# Allegro board S071AA-0413-20260427.brd (continued)
## Routing (per net, layer and track width the routed paths; a pad name or vN(x,y) marks a point on that pad's centre or on a via; arc(x,y) is an arc through that point) (continued)
; D103.B2 165.37,61.77 ; D117.B15 51.07,99.87 ; D117.B15 51.07,98.25 ; D117.B15 50.26,99.06 ; 47.72,60.96 D119.B14 ; D119.B14 48.53,61.77 ; D119.B14 49.34,60.96 ; D119.B14 48.53,60.15 ; D227.A14 96.79,374.19 ; D227.A14 96.79,372.57 ; D227.A14 95.98,373.38 ; D227.A14 97.6,373.38 ; D101.B8 181.42,101.6 ; D101.B8 180.61,100.79 ; D101.B8 179.8,101.6 ; D101.B8 180.61,102.41 ; 195.04,353.06 D114.A4 ; D114.A4 196.66,353.06 ; D114.A4 195.85,352.25 ; D114.A4 195.85,353.87 ; 51.07,72.85 D118.A15 ; D118.A15 51.88,73.66 ; D118.A15 50.26,73.66 ; D118.A15 51.07,74.47 ; 259.35,55.07 D107.A10 ; D107.A10 258.54,55.88 ; D107.A10 260.16,55.88 ; D107.A10 259.35,56.69 ; D114.B2 200.93,348.79 ; D114.B2 200.93,347.17 ; D114.B2 200.12,347.98 ; D114.B2 201.74,347.98 ; 197.58,355.6 D114.A3 ; D114.A3 199.2,355.6 ; D114.A3 198.39,356.41 ; D114.A3 198.39,354.79 ; UHC230.G4_10 16.54,350.04 ; UHC230.G4_10 14.92,350.04 ; UHC230.G4_10 15.73,349.23 ; UHC230.G4_10 15.73,350.85 ; D123.A3 95.06,53.34 ; D123.A3 93.44,53.34 ; D123.A3 94.25,54.15 ; D123.A3 94.25,52.53 ; D116.A13 173.8,396.24 ; D116.A13 172.18,396.24 ; D116.A13 172.99,395.43 ; D116.A13 172.99,397.05 ; 17.22,353.54 UHC230.G4_4 ; UHC230.G4_4 18.84,353.54 ; UHC230.G4_4 18.03,354.35 ; UHC230.G4_4 18.03,352.73 ; 121.38,40.64 D124.B14 ; D124.B14 123,40.64 ; D124.B14 122.19,41.45 ; D124.B14 122.19,39.83 ; D104.A11 188.23,33.83 ; D104.A11 189.04,33.02 ; D104.A11 188.23,32.21 ; D104.A11 187.42,33.02 ; 53.61,39.83 D120.B16 ; D120.B16 53.61,41.45 ; D120.B16 54.42,40.64 ; D120.B16 52.8,40.64 ; D111.A10 254.27,374.19 ; D111.A10 253.46,373.38 ; D111.A10 254.27,372.57 ; D111.A10 255.08,373.38 ; D121.A5 99.33,94.79 ; D121.A5 98.52,93.98 ; D121.A5 100.14,93.98 ; D121.A5 99.33,93.17 ; DPS1.B15 272.86,16.51 ; DPS1.B15 271.24,16.51 ; DPS1.B15 272.05,15.7 ; DPS1.B15 272.05,17.32 ; D106.B10 260.16,81.28 ; D106.B10 259.35,82.09 ; D106.B10 259.35,80.47 ; D106.B10 258.54,81.28 ; D427.A2 128.08,383.54 ; D427.A2 127.27,384.35 ; D427.A2 127.27,382.73 ; D427.A2 126.46,383.54 ; D117.A9 35.83,94.79 ; D117.A9 36.64,93.98 ; D117.A9 35.83,93.17 ; D117.A9 35.02,93.98 ; 172.99,390.35 D116.B13 ; D116.B13 172.99,391.97 ; D116.B13 173.8,391.16 ; D116.B13 172.18,391.16 ; 236.49,15.7 DPS1.B01 ; DPS1.B01 237.3,16.51 ; DPS1.B01 236.49,17.32 ; DPS1.B01 235.68,16.51 ; 113.76,19.05 DPS3.C11 ; DPS3.C11 114.57,19.86 ; DPS3.C11 115.38,19.05 ; DPS3.C11 114.57,18.24 ; 246.65,32.21 D108.A5 ; D108.A5 245.84,33.02 ; D108.A5 247.46,33.02 ; D108.A5 246.65,33.83 ; 189.96,35.56 D104.A12 ; D104.A12 190.77,36.37 ; D104.A12 191.58,35.56 ; D104.A12 190.77,34.75 ; 272.05,329.39 D109.B3 ; D109.B3 271.24,330.2 ; D109.B3 272.05,331.01 ; D109.B3 272.86,330.2 ; UHC230.G3_1 48.98,356.1 ; UHC230.G3_1 48.17,355.29 ; UHC230.G3_1 49.79,355.29 ; UHC230.G3_1 48.98,354.48 ; CSDPS426.C3 124.73,361.49 ; CSDPS426.C3 123.92,360.68 ; CSDPS426.C3 124.73,359.87 ; CSDPS426.C3 125.54,360.68 ; D107.B11 262.7,58.42 ; D107.B11 261.08,58.42 ; D107.B11 261.89,59.23 ; D107.B11 261.89,57.61 ; D102.A2 165.37,77.01 ; D102.A2 165.37,75.39 ; D102.A2 166.18,76.2 ; D102.A2 164.56,76.2 ; 27.4,101.6 D117.B6 ; D117.B6 28.21,100.79 ; D117.B6 28.21,102.41 ; D117.B6 29.02,101.6 ; 114.57,339.55 CSDPS425.C7 ; CSDPS425.C7 113.76,340.36 ; CSDPS425.C7 114.57,341.17 ; CSDPS425.C7 115.38,340.36 ; D431.A17 15.51,386.89 ; D431.A17 15.51,385.27 ; D431.A17 16.32,386.08 ; D431.A17 14.7,386.08 ; 51.07,37.29 D120.B15 ; D120.B15 51.88,38.1 ; D120.B15 51.07,38.91 ; D120.B15 50.26,38.1 ; D227.B13 100.14,370.84 ; D227.B13 99.33,370.03 ; D227.B13 99.33,371.65 ; D227.B13 98.52,370.84 ; D432.A12 29.02,403.86 ; D432.A12 28.21,403.05 ; D432.A12 28.21,404.67 ; D432.A12 27.4,403.86 ; D101.A6 175.53,97.33 ; D101.A6 175.53,95.71 ; D101.A6 176.34,96.52 ; D101.A6 174.72,96.52 ; D428.A2 127.27,404.67 ; D428.A2 128.08,403.86 ; D428.A2 126.46,403.86 ; D428.A2 127.27,403.05 ; 180.61,75.39 D102.A8 ; D102.A8 180.61,77.01 ; D102.A8 181.42,76.2 ; D102.A8 179.8,76.2 ; D110.A13 247.46,355.6 ; D110.A13 246.65,356.41 ; D110.A13 246.65,354.79 ; D110.A13 245.84,355.6 ; D231.A6 43.45,374.19 ; D231.A6 42.64,373.38 ; D231.A6 43.45,372.57 ; D231.A6 44.26,373.38 ; D116.A2 201.74,393.7 ; D116.A2 200.12,393.7 ; D116.A2 200.93,394.51 ; D116.A2 200.93,392.89 ; 182.34,355.6 D114.A9 ; D114.A9 183.96,355.6 ; D114.A9 183.15,356.41 ; D114.A9 183.15,354.79 ; 185.69,387.81 D116.B8 ; D116.B8 186.5,388.62 ; D116.B8 184.88,388.62 ; D116.B8 185.69,389.43 ; D121.A4 97.6,96.52 ; D121.A4 96.79,95.71 ; D121.A4 96.79,97.33 ; D121.A4 95.98,96.52 ; D120.B8 33.29,41.45 ; D120.B8 32.48,40.64 ; D120.B8 34.1,40.64 ; D120.B8 33.29,39.83 ; D114.A5 194.12,355.6 ; D114.A5 193.31,354.79 ; D114.A5 193.31,356.41 ; D114.A5 192.5,355.6 ; D115.B15 167.91,371.65 ; D115.B15 167.1,370.84 ; D115.B15 167.91,370.03 ; D115.B15 168.72,370.84 ; 48.53,397.97 D432.B4 ; D432.B4 49.34,398.78 ; D432.B4 48.53,399.59 ; D432.B4 47.72,398.78 ; 108.68,350.52 CSDPS226.C9 ; CSDPS226.C9 109.49,349.71 ; CSDPS226.C9 110.3,350.52 ; CSDPS226.C9 109.49,351.33 ; D118.B10 38.37,82.09 ; D118.B10 37.56,81.28 ; D118.B10 39.18,81.28 ; D118.B10 38.37,80.47 ; D227.B10 107.76,368.3 ; D227.B10 106.14,368.3 ; D227.B10 106.95,369.11 ; D227.B10 106.95,367.49 ; D111.A1 277.94,375.92 ; D111.A1 276.32,375.92 ; D111.A1 277.13,375.11 ; D111.A1 277.13,376.73 ; 42.64,101.6 D117.B12 ; D117.B12 43.45,100.79 ; D117.B12 44.26,101.6 ; D117.B12 43.45,102.41 ; 30.75,400.51 D432.B11 ; D432.B11 29.94,401.32 ; D432.B11 31.56,401.32 ; D432.B11 30.75,402.13 ; 277.13,349.71 D110.B1 ; D110.B1 276.32,350.52 ; D110.B1 277.13,351.33 ; D110.B1 277.94,350.52 ; D123.B14 123,60.96 ; D123.B14 121.38,60.96 ; D123.B14 122.19,60.15 ; D123.B14 122.19,61.77 ; 238.22,373.38 D111.A16 ; D111.A16 239.84,373.38 ; D111.A16 239.03,374.19 ; D111.A16 239.03,372.57 ; 101.06,40.64 D124.B6 ; D124.B6 101.87,39.83 ; D124.B6 102.68,40.64 ; D124.B6 101.87,41.45 ; D113.A9 183.96,335.28 ; D113.A9 182.34,335.28 ; D113.A9 183.15,336.09 ; D113.A9 183.15,334.47 ; 35.02,381 D431.B9 ; D431.B9 35.83,381.81 ; D431.B9 35.83,380.19 ; D431.B9 36.64,381 ; D106.B7 252.54,78.74 ; D106.B7 251.73,77.93 ; D106.B7 250.92,78.74 ; D106.B7 251.73,79.55 ; D105.A9 256.81,94.79 ; D105.A9 256.81,93.17 ; D105.A9 257.62,93.98 ; D105.A9 256,93.98 ; D117.A12 43.45,97.33 ; D117.A12 43.45,95.71 ; D117.A12 44.26,96.52 ; D117.A12 42.64,96.52 ; 25.67,329.39 CSDPS229.C13 ; CSDPS229.C13 25.67,331.01 ; CSDPS229.C13 26.48,330.2 ; CSDPS229.C13 24.86,330.2 ; D109.B2 274.59,328.47 ; D109.B2 273.78,327.66 ; D109.B2 275.4,327.66 ; D109.B2 274.59,326.85 ; 272.05,13.16 DPS1.A15 ; DPS1.A15 272.05,14.78 ; DPS1.A15 272.86,13.97 ; DPS1.A15 271.24,13.97 ; D109.B8 259.35,328.47 ; D109.B8 260.16,327.66 ; D109.B8 258.54,327.66 ; D109.B8 259.35,326.85 ; D109.A4 269.51,333.55 ; D109.A4 269.51,331.93 ; D109.A4 268.7,332.74 ; D109.A4 270.32,332.74 ; 44.72,363.7 UHC430.G2_5 ; UHC430.G2_5 45.53,362.89 ; UHC430.G2_5 45.53,364.51 ; UHC430.G2_5 46.34,363.7 ; 106.14,55.88 D123.A8 ; D123.A8 106.95,55.07 ; D123.A8 106.95,56.69 ; D123.A8 107.76,55.88 ; 193.31,395.43 D116.A5 ; D116.A5 192.5,396.24 ; D116.A5 193.31,397.05 ; D116.A5 194.12,396.24 ; CSDPS426.C11 104.41,361.49 ; CSDPS426.C11 104.41,359.87 ; CSDPS426.C11 105.22,360.68 ; CSDPS426.C11 103.6,360.68 ; 272.05,395.43 D112.A3 ; D112.A3 272.86,396.24 ; D112.A3 272.05,397.05 ; D112.A3 271.24,396.24 ; 48.53,377.65 D431.B4 ; D431.B4 48.53,379.27 ; D431.B4 47.72,378.46 ; D431.B4 49.34,378.46 ; D116.B3 199.2,391.16 ; D116.B3 198.39,391.97 ; D116.B3 197.58,391.16 ; D116.B3 198.39,390.35 ; D432.B5 45.99,402.13 ; D432.B5 46.8,401.32 ; D432.B5 45.99,400.51 ; D432.B5 45.18,401.32 ; DPS1.C01 236.49,19.86 ; DPS1.C01 235.68,19.05 ; DPS1.C01 236.49,18.24 ; DPS1.C01 237.3,19.05 ; 254.27,347.17 D110.B10 ; D110.B10 255.08,347.98 ; D110.B10 254.27,348.79 ; D110.B10 253.46,347.98 ; D109.B10 255.08,327.66 ; D109.B10 253.46,327.66 ; D109.B10 254.27,326.85 ; D109.B10 254.27,328.47 ; 47.83,349.23 UHC230.G3_9 ; UHC230.G3_9 47.83,350.85 ; UHC230.G3_9 47.02,350.04 ; UHC230.G3_9 48.64,350.04 ; 118.84,386.08 D427.A5 ; D427.A5 119.65,385.27 ; D427.A5 120.46,386.08 ; D427.A5 119.65,386.89 ; 56.15,414.48 DPS8.A01 ; DPS8.A01 55.34,415.29 ; DPS8.A01 56.15,416.1 ; DPS8.A01 56.96,415.29 ; 29.94,406.4 D432.A11 ; D432.A11 30.75,405.59 ; D432.A11 30.75,407.21 ; D432.A11 31.56,406.4 ; 189.96,353.06 D114.A6 ; D114.A6 190.77,352.25 ; D114.A6 191.58,353.06 ; D114.A6 190.77,353.87 ; 108.68,93.98 D121.A9 ; D121.A9 109.49,94.79 ; D121.A9 110.3,93.98 ; D121.A9 109.49,93.17 ; 46.68,357.64 UHC430.G2_12 ; UHC430.G2_12 46.68,359.26 ; UHC430.G2_12 47.49,358.45 ; UHC430.G2_12 45.87,358.45 ; 109.49,390.35 D228.B9 ; D228.B9 109.49,391.97 ; D228.B9 108.68,391.16 ; D228.B9 110.3,391.16 ; 193.31,93.17 D101.A13 ; D101.A13 192.5,93.98 ; D101.A13 194.12,93.98 ; D101.A13 193.31,94.79 ; 99.33,349.71 CSDPS226.C13 ; CSDPS226.C13 100.14,350.52 ; CSDPS226.C13 99.33,351.33 ; CSDPS226.C13 98.52,350.52 ; D427.A6 117.92,383.54 ; D427.A6 117.11,384.35 ; D427.A6 117.11,382.73 ; D427.A6 116.3,383.54 ; D109.A2 275.4,332.74 ; D109.A2 274.59,331.93 ; D109.A2 274.59,333.55 ; D109.A2 273.78,332.74 ; D101.B2 166.18,101.6 ; D101.B2 164.56,101.6 ; D101.B2 165.37,102.41 ; D101.B2 165.37,100.79 ; 35.02,386.08 D431.A9 ; D431.A9 35.83,386.89 ; D431.A9 35.83,385.27 ; D431.A9 36.64,386.08 ; D102.B5 173.8,78.74 ; D102.B5 172.18,78.74 ; D102.B5 172.99,77.93 ; D102.B5 172.99,79.55 ; D105.B2 239.84,101.6 ; D105.B2 239.03,100.79 ; D105.B2 238.22,101.6 ; D105.B2 239.03,102.41 ; DPS2.C15 168.72,410.21 ; DPS2.C15 167.1,410.21 ; DPS2.C15 167.91,409.4 ; DPS2.C15 167.91,411.02 ; 253.46,353.06 D110.A10 ; D110.A10 254.27,353.87 ; D110.A10 255.08,353.06 ; D110.A10 254.27,352.25 ; D120.A8 34.1,35.56 ; D120.A8 32.48,35.56 ; D120.A8 33.29,34.75 ; D120.A8 33.29,36.37 ; 249.19,100.79 D105.B6 ; D105.B6 250,101.6 ; D105.B6 248.38,101.6 ; D105.B6 249.19,102.41 ; 118.84,340.36 CSDPS425.C5 ; CSDPS425.C5 119.65,339.55 ; CSDPS425.C5 119.65,341.17 ; CSDPS425.C5 120.46,340.36 ; 266.16,375.92 D111.A5 ; D111.A5 266.97,376.73 ; D111.A5 267.78,375.92 ; D111.A5 266.97,375.11 ; D104.A6 176.34,35.56 ; D104.A6 174.72,35.56 ; D104.A6 175.53,36.37 ; D104.A6 175.53,34.75 ; 45.99,375.11 D231.A5 ; D231.A5 45.99,376.73 ; D231.A5 46.8,375.92 ; D231.A5 45.18,375.92 ; D427.B14 96.79,379.27 ; D427.B14 95.98,378.46 ; D427.B14 96.79,377.65 ; D427.B14 97.6,378.46 ; 95.98,101.6 D121.B4 ; D121.B4 97.6,101.6 ; D121.B4 96.79,100.79 ; D121.B4 96.79,102.41 ; D228.A14 97.6,393.7 ; D228.A14 95.98,393.7 ; D228.A14 96.79,394.51 ; D228.A14 96.79,392.89 ; CSDPS426.C7 114.57,361.49 ; CSDPS426.C7 115.38,360.68 ; CSDPS426.C7 113.76,360.68 ; CSDPS426.C7 114.57,359.87 ; D111.A13 246.65,376.73 ; D111.A13 246.65,375.11 ; D111.A13 245.84,375.92 ; D111.A13 247.46,375.92 ; 38.37,382.73 D431.A8 ; D431.A8 39.18,383.54 ; D431.A8 38.37,384.35 ; D431.A8 37.56,383.54 ; D231.A4 49.34,373.38 ; D231.A4 48.53,372.57 ; D231.A4 47.72,373.38 ; D231.A4 48.53,374.19 ; D428.B12 101.87,399.59 ; D428.B12 101.06,398.78 ; D428.B12 102.68,398.78 ; D428.B12 101.87,397.97 ; D102.A4 170.45,77.01 ; D102.A4 171.26,76.2 ; D102.A4 169.64,76.2 ; D102.A4 170.45,75.39 ; 52.8,96.52 D117.A16 ; D117.A16 53.61,95.71 ; D117.A16 53.61,97.33 ; D117.A16 54.42,96.52 ; 50.26,381 D431.B3 ; D431.B3 51.88,381 ; D431.B3 51.07,380.19 ; D431.B3 51.07,381.81 ; 50.26,33.02 D120.A15 ; D120.A15 51.07,33.83 ; D120.A15 51.07,32.21 ; D120.A15 51.88,33.02 ; 235.68,78.74 D106.B1 ; D106.B1 236.49,77.93 ; D106.B1 236.49,79.55 ; D106.B1 237.3,78.74 ; 258.54,332.74 D109.A8 ; D109.A8 260.16,332.74 ; D109.A8 259.35,333.55 ; D109.A8 259.35,331.93 ; 185.69,347.17 D114.B8 ; D114.B8 186.5,347.98 ; D114.B8 184.88,347.98 ; D114.B8 185.69,348.79 ; 114.57,15.7 DPS3.B11 ; DPS3.B11 115.38,16.51 ; DPS3.B11 114.57,17.32 ; DPS3.B11 113.76,16.51 ; D121.B12 117.92,101.6 ; D121.B12 117.11,100.79 ; D121.B12 116.3,101.6 ; D121.B12 117.11,102.41 ; D102.B15 198.39,79.55 ; D102.B15 197.58,78.74 ; D102.B15 199.2,78.74 ; D102.B15 198.39,77.93 ; D228.B10 107.76,388.62 ; D228.B10 106.95,387.81 ; D228.B10 106.14,388.62 ; D228.B10 106.95,389.43 ; D124.B4 96.79,41.45 ; D124.B4 97.6,40.64 ; D124.B4 96.79,39.83 ; D124.B4 95.98,40.64 ; CSDPS429.C13 25.67,341.17 ; CSDPS429.C13 24.86,340.36 ; CSDPS429.C13 25.67,339.55 ; CSDPS429.C13 26.48,340.36 ; D108.B7 251.73,38.91 ; D108.B7 251.73,37.29 ; D108.B7 252.54,38.1 ; D108.B7 250.92,38.1 ; D112.A8 260.16,393.7 ; D112.A8 259.35,394.51 ; D112.A8 259.35,392.89 ; D112.A8 258.54,393.7 ; 183.15,93.17 D101.A9 ; D101.A9 182.34,93.98 ; D101.A9 183.15,94.79 ; D101.A9 183.96,93.98 ; D103.A6 176.34,55.88 ; D103.A6 175.53,56.69 ; D103.A6 174.72,55.88 ; D103.A6 175.53,55.07 ; 33.29,95.71 D117.A8 ; D117.A8 34.1,96.52 ; D117.A8 32.48,96.52 ; D117.A8 33.29,97.33 ; 249.19,331.93 D109.A12 ; D109.A12 248.38,332.74 ; D109.A12 249.19,333.55 ; D109.A12 250,332.74 ; D121.B6 102.68,101.6 ; D121.B6 101.06,101.6 ; D121.B6 101.87,100.79 ; D121.B6 101.87,102.41 ; D104.B9 183.15,38.91 ; D104.B9 183.96,38.1 ; D104.B9 183.15,37.29 ; D104.B9 182.34,38.1 ; D116.B2 201.74,388.62 ; D116.B2 200.12,388.62 ; D116.B2 200.93,389.43 ; D116.B2 200.93,387.81 ; D432.B14 23.94,398.78 ; D432.B14 23.13,397.97 ; D432.B14 23.13,399.59 ; D432.B14 22.32,398.78 ; D101.A5 172.99,94.79 ; D101.A5 173.8,93.98 ; D101.A5 172.18,93.98 ; D101.A5 172.99,93.17 ; 113.76,406.4 D428.A7 ; D428.A7 115.38,406.4 ; D428.A7 114.57,407.21 ; D428.A7 114.57,405.59 ; 246.65,57.61 D107.B5 ; D107.B5 245.84,58.42 ; D107.B5 247.46,58.42 ; D107.B5 246.65,59.23 ; D108.B14 269.51,41.45 ; D108.B14 269.51,39.83 ; D108.B14 268.7,40.64 ; D108.B14 270.32,40.64 ; 277.13,390.35 D112.B1 ; D112.B1 277.13,391.97 ; D112.B1 276.32,391.16 ; D112.B1 277.94,391.16 ; 91.71,397.97 D428.B16 ; D428.B16 90.9,398.78 ; D428.B16 91.71,399.59 ; D428.B16 92.52,398.78 ; 167.1,335.28 D113.A15 ; D113.A15 167.91,334.47 ; D113.A15 168.72,335.28 ; D113.A15 167.91,336.09 ; D123.B5 100.14,58.42 ; D123.B5 99.33,57.61 ; D123.B5 98.52,58.42 ; D123.B5 99.33,59.23 ; D103.B14 196.66,60.96 ; D103.B14 195.85,61.77 ; D103.B14 195.85,60.15 ; D103.B14 195.04,60.96 ; CSDPS229.C3 51.88,330.2 ; CSDPS229.C3 51.07,329.39 ; CSDPS229.C3 51.07,331.01 ; CSDPS229.C3 50.26,330.2 ; D427.B3 125.54,381 ; D427.B3 124.73,380.19 ; D427.B3 123.92,381 ; D427.B3 124.73,381.81 ; D431.B10 33.29,379.27 ; D431.B10 32.48,378.46 ; D431.B10 33.29,377.65 ; D431.B10 34.1,378.46 ; 119.65,370.03 D227.B5 ; D227.B5 120.46,370.84 ; D227.B5 118.84,370.84 ; D227.B5 119.65,371.65 ; 118.84,381 D427.B5 ; D427.B5 120.46,381 ; D427.B5 119.65,381.81 ; D427.B5 119.65,380.19 ; 195.04,96.52 D101.A14 ; D101.A14 195.85,95.71 ; D101.A14 195.85,97.33 ; D101.A14 196.66,96.52 ; D124.A7 105.22,33.02 ; D124.A7 103.6,33.02 ; D124.A7 104.41,32.21 ; D124.A7 104.41,33.83 ; 53.61,75.39 D118.A16 ; D118.A16 52.8,76.2 ; D118.A16 54.42,76.2 ; D118.A16 53.61,77.01 ; D431.A7 41.72,386.08 ; D431.A7 40.1,386.08 ; D431.A7 40.91,385.27 ; D431.A7 40.91,386.89 ; 249.19,95.71 D105.A6 ; D105.A6 250,96.52 ; D105.A6 248.38,96.52 ; D105.A6 249.19,97.33 ; 14.58,364.64 UHC430.G1_3 ; UHC430.G1_3 14.58,366.26 ; UHC430.G1_3 15.39,365.45 ; UHC430.G1_3 13.77,365.45 ; 40.1,38.1 D120.B11 ; D120.B11 41.72,38.1 ; D120.B11 40.91,38.91 ; D120.B11 40.91,37.29 ; D109.B1 277.94,330.2 ; D109.B1 277.13,331.01 ; D109.B1 277.13,329.39 ; D109.B1 276.32,330.2 ; D105.A14 269.51,97.33 ; D105.A14 269.51,95.71 ; D105.A14 270.32,96.52 ; D105.A14 268.7,96.52 ; D116.B1 203.47,391.97 ; D116.B1 202.66,391.16 ; D116.B1 204.28,391.16 ; D116.B1 203.47,390.35 ; 106.95,60.15 D123.B8 ; D123.B8 106.95,61.77 ; D123.B8 107.76,60.96 ; D123.B8 106.14,60.96 ; 22.32,81.28 D118.B4 ; D118.B4 23.13,80.47 ; D118.B4 23.94,81.28 ; D118.B4 23.13,82.09 ; UHC230.G4_6 19.18,352.6 ; UHC230.G4_6 19.99,351.79 ; UHC230.G4_6 19.18,350.98 ; UHC230.G4_6 18.37,351.79 ; D427.A17 89.98,386.08 ; D427.A17 89.17,385.27 ; D427.A17 89.17,386.89 ; D427.A17 88.36,386.08 ; 99.33,329.39 CSDPS225.C13 ; CSDPS225.C13 98.52,330.2 ; CSDPS225.C13 100.14,330.2 ; CSDPS225.C13 99.33,331.01 ; 104.41,98.25 D121.B7 ; D121.B7 103.6,99.06 ; D121.B7 104.41,99.87 ; D121.B7 105.22,99.06 ; D124.A16 127.27,36.37 ; D124.A16 128.08,35.56 ; D124.A16 127.27,34.75 ; D124.A16 126.46,35.56 ; 126.46,353.06 CSDPS226.B2 ; CSDPS226.B2 128.08,353.06 ; CSDPS226.B2 127.27,352.25 ; CSDPS226.B2 127.27,353.87 ; D428.A6 117.92,403.86 ; D428.A6 116.3,403.86 ; D428.A6 117.11,403.05 ; D428.A6 117.11,404.67 ; 119.65,32.21 D124.A13 ; D124.A13 120.46,33.02 ; D124.A13 119.65,33.83 ; D124.A13 118.84,33.02 ; CSDPS226.B6 117.92,353.06 ; CSDPS226.B6 117.11,352.25 ; CSDPS226.B6 117.11,353.87 ; CSDPS226.B6 116.3,353.06 ; 45.99,32.21 D120.A13 ; D120.A13 45.99,33.83 ; D120.A13 45.18,33.02 ; D120.A13 46.8,33.02 ; D111.A14 244.92,373.38 ; D111.A14 244.11,372.57 ; D111.A14 243.3,373.38 ; D111.A14 244.11,374.19 ; 95.98,332.74 CSDPS225.B14 ; CSDPS225.B14 96.79,331.93 ; CSDPS225.B14 97.6,332.74 ; CSDPS225.B14 96.79,333.55 ; 271.24,375.92 D111.A3 ; D111.A3 272.86,375.92 ; D111.A3 272.05,375.11 ; D111.A3 272.05,376.73 ; D112.A10 254.27,394.51 ; D112.A10 255.08,393.7 ; D112.A10 253.46,393.7 ; D112.A10 254.27,392.89 ; UHC430.G2_10 45.53,361.01 ; UHC430.G2_10 46.34,360.2 ; UHC430.G2_10 44.72,360.2 ; UHC430.G2_10 45.53,359.39 ; 33.29,80.47 D118.B8 ; D118.B8 32.48,81.28 ; D118.B8 33.29,82.09 ; D118.B8 34.1,81.28 ; D108.B2 239.03,41.45 ; D108.B2 238.22,40.64 ; D108.B2 239.84,40.64 ; D108.B2 239.03,39.83 ; D122.B7 105.22,78.74 ; D122.B7 104.41,79.55 ; D122.B7 104.41,77.93 ; D122.B7 103.6,78.74 ; D113.A6 191.58,332.74 ; D113.A6 190.77,333.55 ; D113.A6 189.96,332.74 ; D113.A6 190.77,331.93 ; 268.7,81.28 D106.B14 ; D106.B14 269.51,80.47 ; D106.B14 270.32,81.28 ; D106.B14 269.51,82.09 ; 45.18,386.08 D431.A5 ; D431.A5 46.8,386.08 ; D431.A5 45.99,386.89 ; D431.A5 45.99,385.27 ; D112.A1 277.94,396.24 ; D112.A1 277.13,395.43 ; D112.A1 277.13,397.05 ; D112.A1 276.32,396.24 ; 192.5,350.52 D114.B5 ; D114.B5 193.31,349.71 ; D114.B5 194.12,350.52 ; D114.B5 193.31,351.33 ; D228.B1 129.81,391.97 ; D228.B1 130.62,391.16 ; D228.B1 129,391.16 ; D228.B1 129.81,390.35 ; D122.A2 91.71,77.01 ; D122.A2 92.52,76.2 ; D122.A2 91.71,75.39 ; D122.A2 90.9,76.2 ; D432.B7 41.72,401.32 ; D432.B7 40.1,401.32 ; D432.B7 40.91,400.51 ; D432.B7 40.91,402.13 ; 266.97,77.93 D106.B13 ; D106.B13 266.97,79.55 ; D106.B13 266.16,78.74 ; D106.B13 267.78,78.74 ; 187.42,73.66 D102.A11 ; D102.A11 188.23,72.85 ; D102.A11 188.23,74.47 ; D102.A11 189.04,73.66 ; 263.62,35.56 D108.A12 ; D108.A12 264.43,36.37 ; D108.A12 264.43,34.75 ; D108.A12 265.24,35.56 ; D110.B2 274.59,348.79 ; D110.B2 275.4,347.98 ; D110.B2 273.78,347.98 ; D110.B2 274.59,347.17 ; 127.27,39.83 D124.B16 ; D124.B16 127.27,41.45 ; D124.B16 126.46,40.64 ; D124.B16 128.08,40.64 ; 274.59,372.57 D111.A2 ; D111.A2 273.78,373.38 ; D111.A2 275.4,373.38 ; D111.A2 274.59,374.19 ; 261.89,390.35 D112.B7 ; D112.B7 262.7,391.16 ; D112.B7 261.08,391.16 ; D112.B7 261.89,391.97 ; 114.57,57.61 D123.B11 ; D123.B11 113.76,58.42 ; D123.B11 115.38,58.42 ; D123.B11 114.57,59.23 ; 101.06,388.62 D228.B12 ; D228.B12 102.68,388.62 ; D228.B12 101.87,387.81 ; D228.B12 101.87,389.43 ; 35.83,37.29 D120.B9 ; D120.B9 36.64,38.1 ; D120.B9 35.83,38.91 ; D120.B9 35.02,38.1 ; D227.A7 114.57,376.73 ; D227.A7 114.57,375.11 ; D227.A7 113.76,375.92 ; D227.A7 115.38,375.92 ; 112.03,55.07 D123.A10 ; D123.A10 111.22,55.88 ; D123.A10 112.84,55.88 ; D123.A10 112.03,56.69 ; D120.A14 48.53,36.37 ; D120.A14 48.53,34.75 ; D120.A14 47.72,35.56 ; D120.A14 49.34,35.56 ; 109.49,370.03 D227.B9 ; D227.B9 110.3,370.84 ; D227.B9 108.68,370.84 ; D227.B9 109.49,371.65 ; 271.24,391.16 D112.B3 ; D112.B3 272.05,390.35 ; D112.B3 272.86,391.16 ; D112.B3 272.05,391.97 ; D119.B4 23.13,61.77 ; D119.B4 23.94,60.96 ; D119.B4 23.13,60.15 ; D119.B4 22.32,60.96 ; 45.99,414.48 DPS8.A05 ; DPS8.A05 46.8,415.29 ; DPS8.A05 45.18,415.29 ; DPS8.A05 45.99,416.1 ; 251.73,98.25 D105.B7 ; D105.B7 251.73,99.87 ; D105.B7 252.54,99.06 ; D105.B7 250.92,99.06 ; UHC430.G1_12 16.88,359.26 ; UHC430.G1_12 17.69,358.45 ; UHC430.G1_12 16.88,357.64 ; UHC430.G1_12 16.07,358.45 ; CSDPS429.B16 18.86,342.9 ; CSDPS429.B16 18.05,343.71 ; CSDPS429.B16 17.24,342.9 ; CSDPS429.B16 18.05,342.09 ; CSDPS226.B8 112.84,353.06 ; CSDPS226.B8 112.03,352.25 ; CSDPS226.B8 111.22,353.06 ; CSDPS226.B8 112.03,353.87 ; D110.A8 260.16,353.06 ; D110.A8 259.35,352.25 ; D110.A8 258.54,353.06 ; D110.A8 259.35,353.87 ; D228.B13 100.14,391.16 ; D228.B13 99.33,391.97 ; D228.B13 98.52,391.16 ; D228.B13 99.33,390.35 ; D228.A1 130.62,396.24 ; D228.A1 129.81,395.43 ; D228.A1 129,396.24 ; D228.A1 129.81,397.05 ; D113.A1 204.28,335.28 ; D113.A1 202.66,335.28 ; D113.A1 203.47,334.47 ; D113.A1 203.47,336.09 ; 18.05,372.57 D231.A16 ; D231.A16 17.24,373.38 ; D231.A16 18.86,373.38 ; D231.A16 18.05,374.19 ; D103.A5 173.8,53.34 ; D103.A5 172.99,52.53 ; D103.A5 172.18,53.34 ; D103.A5 172.99,54.15 ; D106.A14 270.32,76.2 ; D106.A14 269.51,75.39 ; D106.A14 268.7,76.2 ; D106.A14 269.51,77.01 ; 106.95,331.93 CSDPS225.B10 ; CSDPS225.B10 106.14,332.74 ; CSDPS225.B10 106.95,333.55 ; CSDPS225.B10 107.76,332.74 ; D110.B4 269.51,348.79 ; D110.B4 268.7,347.98 ; D110.B4 270.32,347.98 ; D110.B4 269.51,347.17 ; 48.53,95.71 D117.A14 ; D117.A14 47.72,96.52 ; D117.A14 48.53,97.33 ; D117.A14 49.34,96.52 ; 192.5,73.66 D102.A13 ; D102.A13 193.31,74.47 ; D102.A13 193.31,72.85 ; D102.A13 194.12,73.66 ; D103.A2 166.18,55.88 ; D103.A2 165.37,55.07 ; D103.A2 165.37,56.69 ; D103.A2 164.56,55.88 ; D108.B1 237.3,38.1 ; D108.B1 236.49,37.29 ; D108.B1 236.49,38.91 ; D108.B1 235.68,38.1 ; D109.B13 247.46,330.2 ; D109.B13 245.84,330.2 ; D109.B13 246.65,331.01 ; D109.B13 246.65,329.39 ; 35.83,52.53 D119.A9 ; D119.A9 35.83,54.15 ; D119.A9 36.64,53.34 ; D119.A9 35.02,53.34 ; D107.A2 239.03,56.69 ; D107.A2 238.22,55.88 ; D107.A2 239.84,55.88 ; D107.A2 239.03,55.07 ; D116.B6 190.77,389.43 ; D116.B6 190.77,387.81 ; D116.B6 191.58,388.62 ; D116.B6 189.96,388.62 ; 117.11,55.07 D123.A12 ; D123.A12 117.11,56.69 ; D123.A12 116.3,55.88 ; D123.A12 117.92,55.88 ; D124.B12 117.92,40.64 ; D124.B12 116.3,40.64 ; D124.B12 117.11,41.45 ; D124.B12 117.11,39.83 ; 53.61,60.15 D119.B16 ; D119.B16 53.61,61.77 ; D119.B16 54.42,60.96 ; D119.B16 52.8,60.96 ; 175.53,367.49 D115.B12 ; D115.B12 176.34,368.3 ; D115.B12 174.72,368.3 ; D115.B12 175.53,369.11 ; 261.08,78.74 D106.B11 ; D106.B11 262.7,78.74 ; D106.B11 261.89,77.93 ; D106.B11 261.89,79.55 ; D117.A11 40.91,94.79 ; D117.A11 41.72,93.98 ; D117.A11 40.91,93.17 ; D117.A11 40.1,93.98 ; 42.64,342.9 CSDPS429.B6 ; CSDPS429.B6 43.45,342.09 ; CSDPS429.B6 44.26,342.9 ; CSDPS429.B6 43.45,343.71 ; CSDPS426.C9 110.3,360.68 ; CSDPS426.C9 109.49,361.49 ; CSDPS426.C9 109.49,359.87 ; CSDPS426.C9 108.68,360.68 ; 178.07,32.21 D104.A7 ; D104.A7 177.26,33.02 ; D104.A7 178.88,33.02 ; D104.A7 178.07,33.83 ; CSDPS226.B14 97.6,353.06 ; CSDPS226.B14 95.98,353.06 ; CSDPS226.B14 96.79,352.25 ; CSDPS226.B14 96.79,353.87 ; 269.51,55.07 D107.A14 ; D107.A14 269.51,56.69 ; D107.A14 268.7,55.88 ; D107.A14 270.32,55.88 ; 249.19,367.49 D111.B12 ; D111.B12 250,368.3 ; D111.B12 249.19,369.11 ; D111.B12 248.38,368.3 ; 119.65,375.11 D227.A5 ; D227.A5 120.46,375.92 ; D227.A5 119.65,376.73 ; D227.A5 118.84,375.92 ; 14.7,78.74 D118.B1 ; D118.B1 15.51,77.93 ; D118.B1 16.32,78.74 ; D118.B1 15.51,79.55 ; 32.48,398.78 D432.B10 ; D432.B10 33.29,397.97 ; D432.B10 33.29,399.59 ; D432.B10 34.1,398.78 ; 18.37,355.29 UHC230.G4_1 ; UHC230.G4_1 19.99,355.29 ; UHC230.G4_1 19.18,356.1 ; UHC230.G4_1 19.18,354.48 ; CSDPS229.B8 38.37,333.55 ; CSDPS229.B8 37.56,332.74 ; CSDPS229.B8 39.18,332.74 ; CSDPS229.B8 38.37,331.93 ; 118.84,360.68 CSDPS426.C5 ; CSDPS426.C5 120.46,360.68 ; CSDPS426.C5 119.65,361.49 ; CSDPS426.C5 119.65,359.87 ; 253.46,96.52 D105.A8 ; D105.A8 254.27,97.33 ; D105.A8 255.08,96.52 ; D105.A8 254.27,95.71 ; D115.A8 185.69,374.19 ; D115.A8 184.88,373.38 ; D115.A8 186.5,373.38 ; D115.A8 185.69,372.57 ; D115.A15 167.91,376.73 ; D115.A15 167.91,375.11 ; D115.A15 167.1,375.92 ; D115.A15 168.72,375.92 ; 268.7,388.62 D112.B4 ; D112.B4 269.51,389.43 ; D112.B4 269.51,387.81 ; D112.B4 270.32,388.62 ; D111.B15 241.57,371.65 ; D111.B15 240.76,370.84 ; D111.B15 242.38,370.84 ; D111.B15 241.57,370.03 ; 177.26,38.1 D104.B7 ; D104.B7 178.07,37.29 ; D104.B7 178.88,38.1 ; D104.B7 178.07,38.91 ; 180.61,392.89 D116.A10 ; D116.A10 180.61,394.51 ; D116.A10 179.8,393.7 ; D116.A10 181.42,393.7 ; D122.A7 105.22,73.66 ; D122.A7 103.6,73.66 ; D122.A7 104.41,72.85 ; D122.A7 104.41,74.47 ; 198.39,52.53 D103.A15 ; D103.A15 199.2,53.34 ; D103.A15 197.58,53.34 ; D103.A15 198.39,54.15 ; D117.A6 28.21,97.33 ; D117.A6 28.21,95.71 ; D117.A6 27.4,96.52 ; D117.A6 29.02,96.52 ; 244.11,392.89 D112.A14 ; D112.A14 243.3,393.7 ; D112.A14 244.11,394.51 ; D112.A14 244.92,393.7 ; 22.32,35.56 D120.A4 ; D120.A4 23.94,35.56 ; D120.A4 23.13,36.37 ; D120.A4 23.13,34.75 ; 183.15,72.85 D102.A9 ; D102.A9 183.96,73.66 ; D102.A9 183.15,74.47 ; D102.A9 182.34,73.66 ; 169.64,40.64 D104.B4 ; D104.B4 170.45,39.83 ; D104.B4 171.26,40.64 ; D104.B4 170.45,41.45 ; 175.53,331.93 D113.A12 ; D113.A12 175.53,333.55 ; D113.A12 176.34,332.74 ; D113.A12 174.72,332.74 ; 15.73,352.73 UHC230.G4_5 ; UHC230.G4_5 15.73,354.35 ; UHC230.G4_5 14.92,353.54 ; UHC230.G4_5 16.54,353.54 ; 28.21,60.15 D119.B6 ; D119.B6 29.02,60.96 ; D119.B6 28.21,61.77 ; D119.B6 27.4,60.96 ; KS3.7 41.77,149.1 ; KS3.7 39.54,149.1 ; KS3.7 40.66,150.22 ; KS3.7 40.66,147.98 ; 95.98,81.28 D122.B4 ; D122.B4 96.79,82.09 ; D122.B4 97.6,81.28 ; D122.B4 96.79,80.47 ; 112.03,34.75 D124.A10 ; D124.A10 111.22,35.56 ; D124.A10 112.03,36.37 ; D124.A10 112.84,35.56 ; D121.B14 122.19,102.41 ; D121.B14 121.38,101.6 ; D121.B14 122.19,100.79 ; D121.B14 123,101.6 ; 248.38,347.98 D110.B12 ; D110.B12 249.19,348.79 ; D110.B12 249.19,347.17 ; D110.B12 250,347.98 ; 18.37,348.29 UHC230.G4_11 ; UHC230.G4_11 19.99,348.29 ; UHC230.G4_11 19.18,349.1 ; UHC230.G4_11 19.18,347.48 ; D112.B8 259.35,389.43 ; D112.B8 259.35,387.81 ; D112.B8 260.16,388.62 ; D112.B8 258.54,388.62 ; 91.71,403.05 D428.A16 ; D428.A16 91.71,404.67 ; D428.A16 90.9,403.86 ; D428.A16 92.52,403.86 ; 256,391.16 D112.B9 ; D112.B9 257.62,391.16 ; D112.B9 256.81,390.35 ; D112.B9 256.81,391.97 ; D104.B13 193.31,38.91 ; D104.B13 193.31,37.29 ; D104.B13 192.5,38.1 ; D104.B13 194.12,38.1 ; 106.14,342.9 CSDPS425.B10 ; CSDPS425.B10 106.95,343.71 ; CSDPS425.B10 107.76,342.9 ; CSDPS425.B10 106.95,342.09 ; D113.B8 186.5,327.66 ; D113.B8 185.69,326.85 ; D113.B8 185.69,328.47 ; D113.B8 184.88,327.66 ; 174.72,353.06 D114.A12 ; D114.A12 176.34,353.06 ; D114.A12 175.53,352.25 ; D114.A12 175.53,353.87 ; 91.71,392.89 D228.A16 ; D228.A16 92.52,393.7 ; D228.A16 90.9,393.7 ; D228.A16 91.71,394.51 ; D108.B9 257.62,38.1 ; D108.B9 256.81,37.29 ; D108.B9 256,38.1 ; D108.B9 256.81,38.91 ; D122.A1 89.17,74.47 ; D122.A1 89.98,73.66 ; D122.A1 89.17,72.85 ; D122.A1 88.36,73.66 ; 179.8,55.88 D103.A8 ; D103.A8 180.61,56.69 ; D103.A8 181.42,55.88 ; D103.A8 180.61,55.07 ; 121.38,353.06 CSDPS226.B4 ; CSDPS226.B4 122.19,352.25 ; CSDPS226.B4 123,353.06 ; CSDPS226.B4 122.19,353.87 ; 261.89,395.43 D112.A7 ; D112.A7 261.08,396.24 ; D112.A7 261.89,397.05 ; D112.A7 262.7,396.24 ; 96.79,403.05 D428.A14 ; D428.A14 95.98,403.86 ; D428.A14 97.6,403.86 ; D428.A14 96.79,404.67 ; D227.A4 123,373.38 ; D227.A4 121.38,373.38 ; D227.A4 122.19,374.19 ; D227.A4 122.19,372.57 ; D121.A10 112.03,97.33 ; D121.A10 112.84,96.52 ; D121.A10 111.22,96.52 ; D121.A10 112.03,95.71 ; 251.73,375.11 D111.A11 ; D111.A11 252.54,375.92 ; D111.A11 251.73,376.73 ; D111.A11 250.92,375.92 ; 106.95,372.57 D227.A10 ; D227.A10 106.14,373.38 ; D227.A10 106.95,374.19 ; D227.A10 107.76,373.38 ; D110.A5 267.78,355.6 ; D110.A5 266.97,356.41 ; D110.A5 266.97,354.79 ; D110.A5 266.16,355.6 ; D103.A11 189.04,53.34 ; D103.A11 187.42,53.34 ; D103.A11 188.23,54.15 ; D103.A11 188.23,52.53 ; D113.A7 189.04,335.28 ; D113.A7 187.42,335.28 ; D113.A7 188.23,334.47 ; D113.A7 188.23,336.09 ; 32.48,388.62 D232.B10 ; D232.B10 34.1,388.62 ; D232.B10 33.29,389.43 ; D232.B10 33.29,387.81 ; 240.76,391.16 D112.B15 ; D112.B15 241.57,391.97 ; D112.B15 241.57,390.35 ; D112.B15 242.38,391.16 ; 202.66,355.6 D114.A1 ; D114.A1 204.28,355.6 ; D114.A1 203.47,354.79 ; D114.A1 203.47,356.41 ; 162.83,52.53 D103.A1 ; D103.A1 162.83,54.15 ; D103.A1 163.64,53.34 ; D103.A1 162.02,53.34 ; D107.A11 261.89,54.15 ; D107.A11 262.7,53.34 ; D107.A11 261.08,53.34 ; D107.A11 261.89,52.53 ; 246.65,72.85 D106.A5 ; D106.A5 247.46,73.66 ; D106.A5 245.84,73.66 ; D106.A5 246.65,74.47 ; UHC230.G3_5 45.53,354.35 ; UHC230.G3_5 44.72,353.54 ; UHC230.G3_5 46.34,353.54 ; UHC230.G3_5 45.53,352.73 ; D428.A13 100.14,406.4 ; D428.A13 99.33,405.59 ; D428.A13 99.33,407.21 ; D428.A13 98.52,406.4 ; 254.27,34.75 D108.A8 ; D108.A8 253.46,35.56 ; D108.A8 255.08,35.56 ; D108.A8 254.27,36.37 ; D120.B13 45.99,38.91 ; D120.B13 45.18,38.1 ; D120.B13 46.8,38.1 ; D120.B13 45.99,37.29 ; D112.A9 256.81,397.05 ; D112.A9 256,396.24 ; D112.A9 256.81,395.43 ; D112.A9 257.62,396.24 ; D432.B12 29.02,398.78 ; D432.B12 28.21,397.97 ; D432.B12 28.21,399.59 ; D432.B12 27.4,398.78 ; 109.49,375.11 D227.A9 ; D227.A9 110.3,375.92 ; D227.A9 108.68,375.92 ; D227.A9 109.49,376.73 ; D117.A1 16.32,93.98 ; D117.A1 14.7,93.98 ; D117.A1 15.51,93.17 ; D117.A1 15.51,94.79 ; D120.A1 15.51,33.83 ; D120.A1 16.32,33.02 ; D120.A1 15.51,32.21 ; D120.A1 14.7,33.02 ; 89.17,370.03 D227.B17 ; D227.B17 89.17,371.65 ; D227.B17 89.98,370.84 ; D227.B17 88.36,370.84 ; 177.26,370.84 D115.B11 ; D115.B11 178.07,370.03 ; D115.B11 178.88,370.84 ; D115.B11 178.07,371.65 ; D228.A17 89.98,396.24 ; D228.A17 89.17,397.05 ; D228.A17 88.36,396.24 ; D228.A17 89.17,395.43 ; D227.B1 130.62,370.84 ; D227.B1 129,370.84 ; D227.B1 129.81,370.03 ; D227.B1 129.81,371.65 ; 195.85,387.81 D116.B4 ; D116.B4 195.85,389.43 ; D116.B4 196.66,388.62 ; D116.B4 195.04,388.62 ; D106.B6 250,81.28 ; D106.B6 249.19,82.09 ; D106.B6 248.38,81.28 ; D106.B6 249.19,80.47 ; 103.6,340.36 CSDPS425.C11 ; CSDPS425.C11 105.22,340.36 ; CSDPS425.C11 104.41,339.55 ; CSDPS425.C11 104.41,341.17 ; D114.B9 183.96,350.52 ; D114.B9 183.15,351.33 ; D114.B9 183.15,349.71 ; D114.B9 182.34,350.52 ; 195.04,393.7 D116.A4 ; D116.A4 195.85,392.89 ; D116.A4 195.85,394.51 ; D116.A4 196.66,393.7 ; 33.29,75.39 D118.A8 ; D118.A8 32.48,76.2 ; D118.A8 34.1,76.2 ; D118.A8 33.29,77.01 ; D105.B5 247.46,99.06 ; D105.B5 245.84,99.06 ; D105.B5 246.65,99.87 ; D105.B5 246.65,98.25 ; 249.19,392.89 D112.A12 ; D112.A12 250,393.7 ; D112.A12 248.38,393.7 ; D112.A12 249.19,394.51 ; D109.A15 241.57,336.09 ; D109.A15 240.76,335.28 ; D109.A15 241.57,334.47 ; D109.A15 242.38,335.28 ; 29.94,396.24 D232.A11 ; D232.A11 30.75,395.43 ; D232.A11 31.56,396.24 ; D232.A11 30.75,397.05 ; D102.A5 172.99,74.47 ; D102.A5 173.8,73.66 ; D102.A5 172.18,73.66 ; D102.A5 172.99,72.85 ; D113.B13 172.99,331.01 ; D113.B13 173.8,330.2 ; D113.B13 172.99,329.39 ; D113.B13 172.18,330.2 ; D115.B14 170.45,369.11 ; D115.B14 169.64,368.3 ; D115.B14 170.45,367.49 ; D115.B14 171.26,368.3 ; 241.57,77.93 D106.B3 ; D106.B3 242.38,78.74 ; D106.B3 240.76,78.74 ; D106.B3 241.57,79.55 ; 266.97,57.61 D107.B13 ; D107.B13 266.97,59.23 ; D107.B13 266.16,58.42 ; D107.B13 267.78,58.42 ; D113.B5 194.12,330.2 ; D113.B5 193.31,329.39 ; D113.B5 192.5,330.2 ; D113.B5 193.31,331.01 ; 40.91,375.11 D231.A7 ; D231.A7 40.91,376.73 ; D231.A7 40.1,375.92 ; D231.A7 41.72,375.92 ; 264.43,387.81 D112.B6 ; D112.B6 263.62,388.62 ; D112.B6 265.24,388.62 ; D112.B6 264.43,389.43 ; D121.B9 109.49,99.87 ; D121.B9 108.68,99.06 ; D121.B9 110.3,99.06 ; D121.B9 109.49,98.25 ; UHC230.G3_2 47.49,355.29 ; UHC230.G3_2 46.68,356.1 ; UHC230.G3_2 46.68,354.48 ; UHC230.G3_2 45.87,355.29 ; 261.08,38.1 D108.B11 ; D108.B11 262.7,38.1 ; D108.B11 261.89,38.91 ; D108.B11 261.89,37.29 ; D122.B14 122.19,82.09 ; D122.B14 121.38,81.28 ; D122.B14 122.19,80.47 ; D122.B14 123,81.28 ; D103.B3 168.72,58.42 ; D103.B3 167.1,58.42 ; D103.B3 167.91,57.61 ; D103.B3 167.91,59.23 ; 184.88,353.06 D114.A8 ; D114.A8 185.69,353.87 ; D114.A8 186.5,353.06 ; D114.A8 185.69,352.25 ; D228.B3 125.54,391.16 ; D228.B3 124.73,391.97 ; D228.B3 124.73,390.35 ; D228.B3 123.92,391.16 ; 261.08,13.97 DPS1.A11 ; DPS1.A11 261.89,14.78 ; DPS1.A11 261.89,13.16 ; DPS1.A11 262.7,13.97 ; D102.B14 196.66,81.28 ; D102.B14 195.85,80.47 ; D102.B14 195.04,81.28 ; D102.B14 195.85,82.09 ; D121.B16 128.08,101.6 ; D121.B16 127.27,100.79 ; D121.B16 126.46,101.6 ; D121.B16 127.27,102.41 ; D427.B17 89.98,381 ; D427.B17 88.36,381 ; D427.B17 89.17,380.19 ; D427.B17 89.17,381.81 ; 111.22,373.38 D227.A8 ; D227.A8 112.84,373.38 ; D227.A8 112.03,374.19 ; D227.A8 112.03,372.57 ; D110.B5 266.97,351.33 ; D110.B5 266.97,349.71 ; D110.B5 266.16,350.52 ; D110.B5 267.78,350.52 ; UHC230.G3_10 46.34,350.04 ; UHC230.G3_10 45.53,349.23 ; UHC230.G3_10 44.72,350.04 ; UHC230.G3_10 45.53,350.85 ; D428.A4 123,403.86 ; D428.A4 122.19,403.05 ; D428.A4 122.19,404.67 ; D428.A4 121.38,403.86 ; D116.A15 167.91,397.05 ; D116.A15 167.1,396.24 ; D116.A15 168.72,396.24 ; D116.A15 167.91,395.43 ; 116.3,81.28 D122.B12 ; D122.B12 117.92,81.28 ; D122.B12 117.11,82.09 ; D122.B12 117.11,80.47 ; 35.02,401.32 D432.B9 ; D432.B9 36.64,401.32 ; D432.B9 35.83,402.13 ; D432.B9 35.83,400.51 ; UHC430.G1_8 14.58,362.76 ; UHC430.G1_8 13.77,361.95 ; UHC430.G1_8 14.58,361.14 ; UHC430.G1_8 15.39,361.95 ; 243.3,60.96 D107.B4 ; D107.B4 244.11,60.15 ; D107.B4 244.92,60.96 ; D107.B4 244.11,61.77 ; D428.B11 104.41,402.13 ; D428.B11 104.41,400.51 ; D428.B11 105.22,401.32 ; D428.B11 103.6,401.32 ; 35.83,375.11 D231.A9 ; D231.A9 36.64,375.92 ; D231.A9 35.83,376.73 ; D231.A9 35.02,375.92 ; D123.A16 127.27,56.69 ; D123.A16 128.08,55.88 ; D123.A16 127.27,55.07 ; D123.A16 126.46,55.88 ; 126.46,76.2 D122.A16 ; D122.A16 128.08,76.2 ; D122.A16 127.27,77.01 ; D122.A16 127.27,75.39 ; D120.A5 26.48,33.02 ; D120.A5 24.86,33.02 ; D120.A5 25.67,32.21 ; D120.A5 25.67,33.83 ; DPS8.C11 31.56,410.21 ; DPS8.C11 30.75,409.4 ; DPS8.C11 30.75,411.02 ; DPS8.C11 29.94,410.21 ; D124.A9 110.3,33.02 ; D124.A9 108.68,33.02 ; D124.A9 109.49,33.83 ; D124.A9 109.49,32.21 ; 48.53,100.79 D117.B14 ; D117.B14 48.53,102.41 ; D117.B14 47.72,101.6 ; D117.B14 49.34,101.6 ; D227.A13 100.14,375.92 ; D227.A13 98.52,375.92 ; D227.A13 99.33,376.73 ; D227.A13 99.33,375.11 ; 250.92,350.52 D110.B11 ; D110.B11 251.73,351.33 ; D110.B11 252.54,350.52 ; D110.B11 251.73,349.71 ; D117.B16 54.42,101.6 ; D117.B16 52.8,101.6 ; D117.B16 53.61,102.41 ; D117.B16 53.61,100.79 ; 95.98,76.2 D122.A4 ; D122.A4 96.79,75.39 ; D122.A4 96.79,77.01 ; D122.A4 97.6,76.2 ; D124.A3 95.06,33.02 ; D124.A3 94.25,32.21 ; D124.A3 93.44,33.02 ; D124.A3 94.25,33.83 ; D228.A5 120.46,396.24 ; D228.A5 119.65,397.05 ; D228.A5 119.65,395.43 ; D228.A5 118.84,396.24 ; 172.18,375.92 D115.A13 ; D115.A13 173.8,375.92 ; D115.A13 172.99,376.73 ; D115.A13 172.99,375.11 ; UHC230.G3_3 44.38,356.1 ; UHC230.G3_3 45.19,355.29 ; UHC230.G3_3 44.38,354.48 ; UHC230.G3_3 43.57,355.29 ; 45.87,361.95 UHC430.G2 ; UHC430.G2 47.49,361.95 ; UHC430.G2 46.68,361.14 ; UHC430.G2 46.68,362.76 ; 188.23,370.03 D115.B7 ; D115.B7 187.42,370.84 ; D115.B7 189.04,370.84 ; D115.B7 188.23,371.65 ; 179.8,40.64 D104.B8 ; D104.B8 180.61,41.45 ; D104.B8 180.61,39.83 ; D104.B8 181.42,40.64 ; D103.A7 178.07,54.15 ; D103.A7 177.26,53.34 ; D103.A7 178.07,52.53 ; D103.A7 178.88,53.34 ; 24.86,38.1 D120.B5 ; D120.B5 25.67,38.91 ; D120.B5 25.67,37.29 ; D120.B5 26.48,38.1 ; D111.B13 247.46,370.84 ; D111.B13 245.84,370.84 ; D111.B13 246.65,370.03 ; D111.B13 246.65,371.65 ; D123.B1 89.98,58.42 ; D123.B1 89.17,59.23 ; D123.B1 88.36,58.42 ; D123.B1 89.17,57.61 ; 25.67,385.27 D431.A13 ; D431.A13 26.48,386.08 ; D431.A13 25.67,386.89 ; D431.A13 24.86,386.08 ; 197.58,350.52 D114.B3 ; D114.B3 198.39,351.33 ; D114.B3 199.2,350.52 ; D114.B3 198.39,349.71 ; 25.67,380.19 D431.B13 ; D431.B13 25.67,381.81 ; D431.B13 26.48,381 ; D431.B13 24.86,381 ; 129.81,349.71 CSDPS226.C1 ; CSDPS226.C1 129.81,351.33 ; CSDPS226.C1 129,350.52 ; CSDPS226.C1 130.62,350.52 ; 129,340.36 CSDPS425.C1 ; CSDPS425.C1 129.81,339.55 ; CSDPS425.C1 129.81,341.17 ; CSDPS425.C1 130.62,340.36 ; D117.A15 51.88,93.98 ; D117.A15 50.26,93.98 ; D117.A15 51.07,94.79 ; D117.A15 51.07,93.17 ; D432.A16 18.86,403.86 ; D432.A16 17.24,403.86 ; D432.A16 18.05,403.05 ; D432.A16 18.05,404.67 ; D111.B3 272.05,371.65 ; D111.B3 271.24,370.84 ; D111.B3 272.86,370.84 ; D111.B3 272.05,370.03 ; 200.93,367.49 D115.B2 ; D115.B2 201.74,368.3 ; D115.B2 200.12,368.3 ; D115.B2 200.93,369.11 ; DPS3.B15 125.54,16.51 ; DPS3.B15 124.73,17.32 ; DPS3.B15 123.92,16.51 ; DPS3.B15 124.73,15.7 ; 180.61,387.81 D116.B10 ; D116.B10 181.42,388.62 ; D116.B10 180.61,389.43 ; D116.B10 179.8,388.62 ; D124.B1 89.17,38.91 ; D124.B1 89.17,37.29 ; D124.B1 89.98,38.1 ; D124.B1 88.36,38.1 ; D427.A13 99.33,386.89 ; D427.A13 98.52,386.08 ; D427.A13 100.14,386.08 ; D427.A13 99.33,385.27 ; D107.A16 275.4,55.88 ; D107.A16 274.59,56.69 ; D107.A16 273.78,55.88 ; D107.A16 274.59,55.07 ; 185.69,75.39 D102.A10 ; D102.A10 184.88,76.2 ; D102.A10 186.5,76.2 ; D102.A10 185.69,77.01 ; D105.A3 241.57,94.79 ; D105.A3 240.76,93.98 ; D105.A3 241.57,93.17 ; D105.A3 242.38,93.98 ; D113.A8 186.5,332.74 ; D113.A8 185.69,331.93 ; D113.A8 185.69,333.55 ; D113.A8 184.88,332.74 ; 268.7,373.38 D111.A4 ; D111.A4 269.51,374.19 ; D111.A4 269.51,372.57 ; D111.A4 270.32,373.38 ; 251.73,354.79 D110.A11 ; D110.A11 251.73,356.41 ; D110.A11 250.92,355.6 ; D110.A11 252.54,355.6 ; 246.65,52.53 D107.A5 ; D107.A5 245.84,53.34 ; D107.A5 246.65,54.15 ; D107.A5 247.46,53.34 ; D115.A6 191.58,373.38 ; D115.A6 189.96,373.38 ; D115.A6 190.77,374.19 ; D115.A6 190.77,372.57 ; D113.A4 195.85,333.55 ; D113.A4 195.85,331.93 ; D113.A4 196.66,332.74 ; D113.A4 195.04,332.74 ; D232.A7 40.91,397.05 ; D232.A7 40.91,395.43 ; D232.A7 41.72,396.24 ; D232.A7 40.1,396.24 ; 189.96,40.64 D104.B12 ; D104.B12 191.58,40.64 ; D104.B12 190.77,39.83 ; D104.B12 190.77,41.45 ; UHC430.G2_2 47.49,365.45 ; UHC430.G2_2 45.87,365.45 ; UHC430.G2_2 46.68,366.26 ; UHC430.G2_2 46.68,364.64 ; 256,355.6 D110.A9 ; D110.A9 256.81,354.79 ; D110.A9 257.62,355.6 ; D110.A9 256.81,356.41 ; 189.96,327.66 D113.B6 ; D113.B6 191.58,327.66 ; D113.B6 190.77,326.85 ; D113.B6 190.77,328.47 ; 19.78,370.84 D231.B15 ; D231.B15 21.4,370.84 ; D231.B15 20.59,370.03 ; D231.B15 20.59,371.65 ; 266.97,334.47 D109.A5 ; D109.A5 266.97,336.09 ; D109.A5 266.16,335.28 ; D109.A5 267.78,335.28 ; 45.99,72.85 D118.A13 ; D118.A13 45.99,74.47 ; D118.A13 45.18,73.66 ; D118.A13 46.8,73.66 ; DPS3.A01 89.17,14.78 ; DPS3.A01 89.98,13.97 ; DPS3.A01 89.17,13.16 ; DPS3.A01 88.36,13.97 ; D117.B9 35.83,99.87 ; D117.B9 35.02,99.06 ; D117.B9 35.83,98.25 ; D117.B9 36.64,99.06 ; D227.A1 129.81,376.73 ; D227.A1 130.62,375.92 ; D227.A1 129,375.92 ; D227.A1 129.81,375.11 ; D120.B14 48.53,41.45 ; D120.B14 49.34,40.64 ; D120.B14 48.53,39.83 ; D120.B14 47.72,40.64 ; 258.54,96.52 D105.A10 ; D105.A10 259.35,97.33 ; D105.A10 260.16,96.52 ; D105.A10 259.35,95.71 ; D119.B9 36.64,58.42 ; D119.B9 35.83,59.23 ; D119.B9 35.83,57.61 ; D119.B9 35.02,58.42 ; 248.38,60.96 D107.B6 ; D107.B6 250,60.96 ; D107.B6 249.19,60.15 ; D107.B6 249.19,61.77 ; 129,381 D427.B1 ; D427.B1 129.81,380.19 ; D427.B1 129.81,381.81 ; D427.B1 130.62,381 ; 28.21,55.07 D119.A6 ; D119.A6 27.4,55.88 ; D119.A6 29.02,55.88 ; D119.A6 28.21,56.69 ; 50.26,340.36 CSDPS429.C3 ; CSDPS429.C3 51.07,339.55 ; CSDPS429.C3 51.07,341.17 ; CSDPS429.C3 51.88,340.36 ; 162.83,57.61 D103.B1 ; D103.B1 162.83,59.23 ; D103.B1 163.64,58.42 ; D103.B1 162.02,58.42 ; D123.A15 125.54,53.34 ; D123.A15 123.92,53.34 ; D123.A15 124.73,54.15 ; D123.A15 124.73,52.53 ; 30.75,93.17 D117.A7 ; D117.A7 31.56,93.98 ; D117.A7 30.75,94.79 ; D117.A7 29.94,93.98 ; D103.B8 180.61,61.77 ; D103.B8 180.61,60.15 ; D103.B8 181.42,60.96 ; D103.B8 179.8,60.96 ; 42.64,55.88 D119.A12 ; D119.A12 43.45,55.07 ; D119.A12 43.45,56.69 ; D119.A12 44.26,55.88 ; CSDPS429.C15 21.4,340.36 ; CSDPS429.C15 20.59,341.17 ; CSDPS429.C15 20.59,339.55 ; CSDPS429.C15 19.78,340.36 ; D109.B9 257.62,330.2 ; D109.B9 256.81,331.01 ; D109.B9 256.81,329.39 ; D109.B9 256,330.2 ; D123.A6 102.68,55.88 ; D123.A6 101.87,55.07 ; D123.A6 101.87,56.69 ; D123.A6 101.06,55.88 ; D101.B9 183.15,99.87 ; D101.B9 183.96,99.06 ; D101.B9 182.34,99.06 ; D101.B9 183.15,98.25 ; D103.B13 194.12,58.42 ; D103.B13 192.5,58.42 ; D103.B13 193.31,59.23 